# KiCad board oresat-live-card.kicad_pcb (continued)
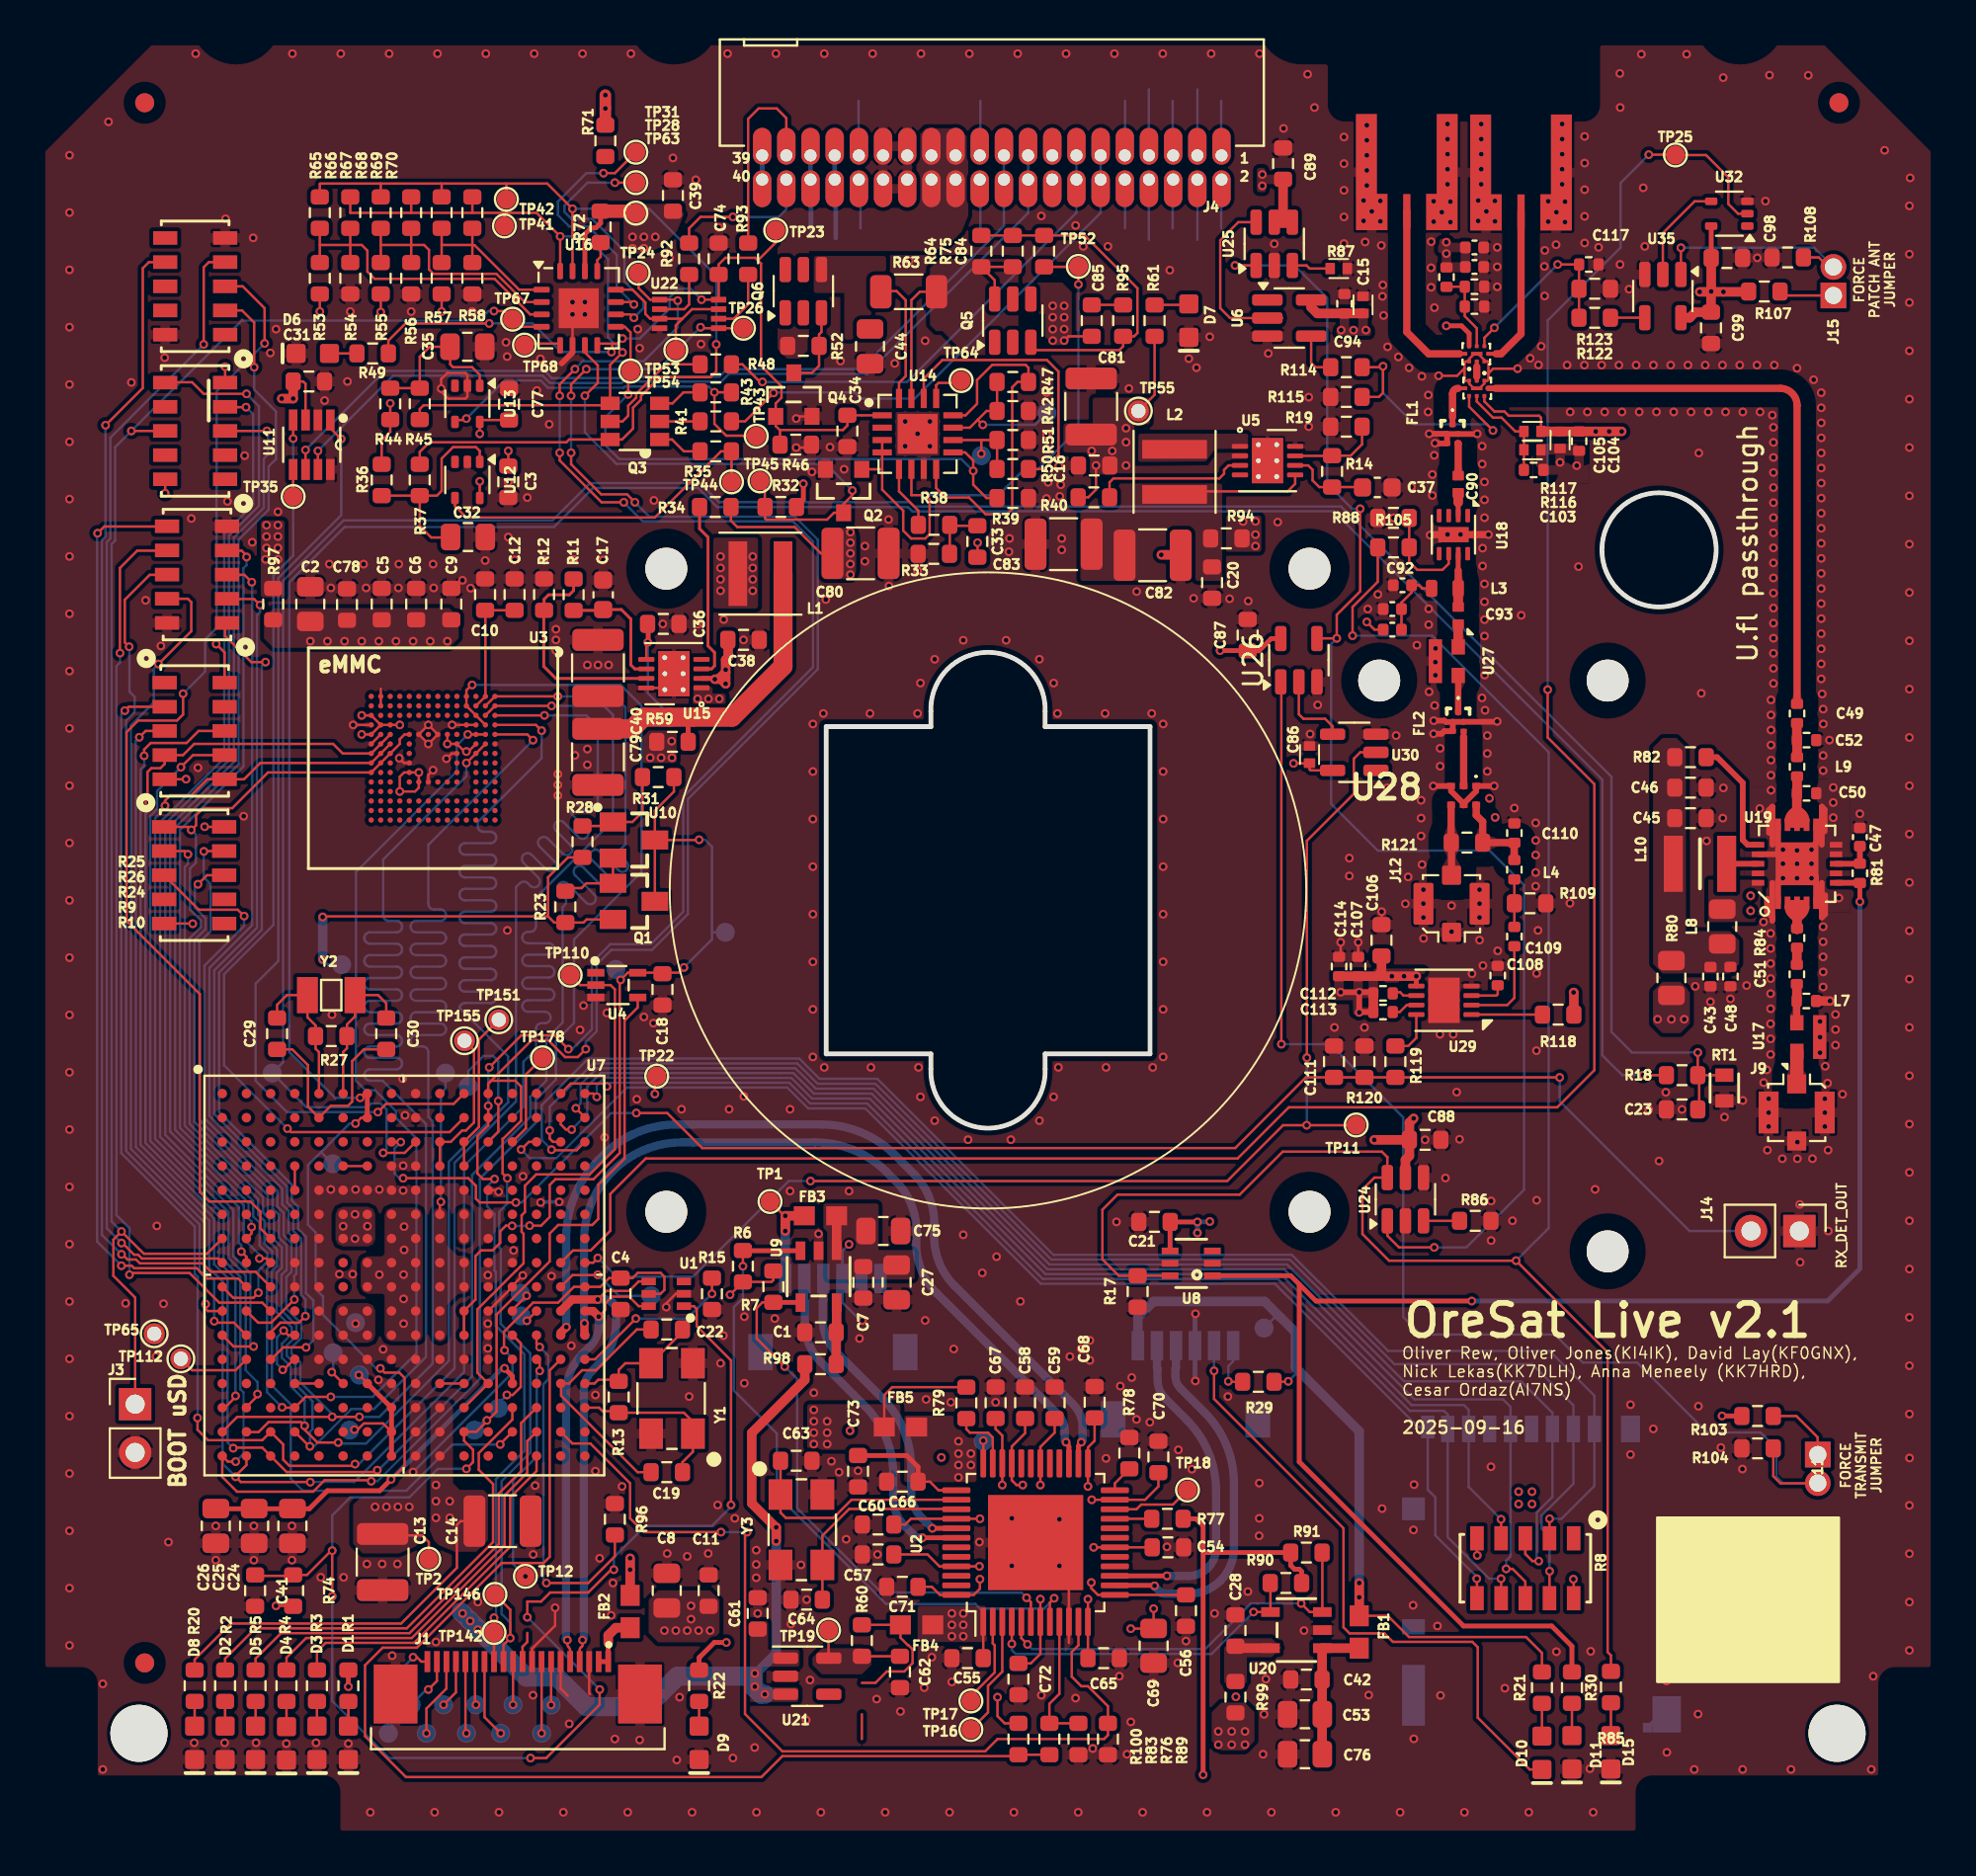
[diagram p0: board, top side]
## Footprints (pads in the part's own frame, mm; a bottom-side part is the same pattern mirrored in y, then rotated) (continued)
TSOT-23-6
  rrect 1.325x0.6 smd: 1(-1.137,0.95) 2(-1.137,0) 3(-1.137,-0.95) 4(1.137,-0.95) 5(1.137,0) 6(1.137,0.95)
U-Octavo-OSD335X-BGA-256
  rrect 0.5x0.5 smd: A1(-9.525,-9.525) A2(-9.525,-8.255) A3(-9.525,-6.985) A4(-9.525,-5.715) A5(-9.525,-4.445) A6(-9.525,-3.175) A7(-9.525,-1.905) A8(-9.525,-0.635) A9(-9.525,0.635) A10(-9.525,1.905) A11(-9.525,3.175) A12(-9.525,4.445) A13(-9.525,5.715) A14(-9.525,6.985) A15(-9.525,8.255) A16(-9.525,9.525) B1(-8.255,-9.525) B2(-8.255,-8.255) B3(-8.255,-6.985) B4(-8.255,-5.715) B5(-8.255,-4.445) B6(-8.255,-3.175) B7(-8.255,-1.905) B8(-8.255,-0.635) B9(-8.255,0.635) B10(-8.255,1.905) B11(-8.255,3.175) B12(-8.255,4.445) B13(-8.255,5.715) B14(-8.255,6.985) B15(-8.255,8.255) B16(-8.255,9.525) C1(-6.985,-9.525) C2(-6.985,-8.255) C3(-6.985,-6.985) C4(-6.985,-5.715) C5(-6.985,-4.445) C6(-6.985,-3.175) C7(-6.985,-1.905) C8(-6.985,-0.635) C9(-6.985,0.635) C10(-6.985,1.905) C11(-6.985,3.175) C12(-6.985,4.445) C13(-6.985,5.715) C14(-6.985,6.985) C15(-6.985,8.255) C16(-6.985,9.525) D1(-5.715,-9.525) D2(-5.715,-8.255) D3(-5.715,-6.985) D4(-5.715,-5.715) D5(-5.715,-4.445) D6(-5.715,-3.175) D7(-5.715,-1.905) D8(-5.715,-0.635) D9(-5.715,0.635) D10(-5.715,1.905) D11(-5.715,3.175) D12(-5.715,4.445) D13(-5.715,5.715) D14(-5.715,6.985) D15(-5.715,8.255) D16(-5.715,9.525) E1(-4.445,-9.525) E2(-4.445,-8.255) E3(-4.445,-6.985) E4(-4.445,-5.715) E5(-4.445,-4.445) E6(-4.445,-3.175) E7(-4.445,-1.905) E8(-4.445,-0.635) E9(-4.445,0.635) E10(-4.445,1.905) E11(-4.445,3.175) E12(-4.445,4.445) E13(-4.445,5.715) E14(-4.445,6.985) E15(-4.445,8.255) E16(-4.445,9.525) F1(-3.175,-9.525) F2(-3.175,-8.255) F3(-3.175,-6.985) F4(-3.175,-5.715) F5(-3.175,-4.445) F6(-3.175,-3.175) F7(-3.175,-1.905) F8(-3.175,-0.635) F9(-3.175,0.635) F10(-3.175,1.905) F11(-3.175,3.175) F12(-3.175,4.445) F13(-3.175,5.715) F14(-3.175,6.985) F15(-3.175,8.255) F16(-3.175,9.525) G1(-1.905,-9.525) G2(-1.905,-8.255) G3(-1.905,-6.985) G4(-1.905,-5.715) G5(-1.905,-4.445) G6(-1.905,-3.175) G7(-1.905,-1.905) G8(-1.905,-0.635) G9(-1.905,0.635) G10(-1.905,1.905) G11(-1.905,3.175) G12(-1.905,4.445) G13(-1.905,5.715) G14(-1.905,6.985) G15(-1.905,8.255) G16(-1.905,9.525) H1(-0.635,-9.525) H2(-0.635,-8.255) H3(-0.635,-6.985) H4(-0.635,-5.715) H5(-0.635,-4.445) H6(-0.635,-3.175) H7(-0.635,-1.905) H8(-0.635,-0.635) H9(-0.635,0.635) H10(-0.635,1.905) H11(-0.635,3.175) H12(-0.635,4.445) H13(-0.635,5.715) H14(-0.635,6.985) H15(-0.635,8.255) H16(-0.635,9.525) J1(0.635,-9.525) J2(0.635,-8.255) J3(0.635,-6.985) J4(0.635,-5.715) J5(0.635,-4.445) J6(0.635,-3.175) J7(0.635,-1.905) J8(0.635,-0.635) J9(0.635,0.635) J10(0.635,1.905) J11(0.635,3.175) J12(0.635,4.445) J13(0.635,5.715) J14(0.635,6.985) J15(0.635,8.255) J16(0.635,9.525) K1(1.905,-9.525) K2(1.905,-8.255) K3(1.905,-6.985) K4(1.905,-5.715) K5(1.905,-4.445) K6(1.905,-3.175) K7(1.905,-1.905) K8(1.905,-0.635) K9(1.905,0.635) K10(1.905,1.905) K11(1.905,3.175) K12(1.905,4.445) K13(1.905,5.715) K14(1.905,6.985) K15(1.905,8.255) K16(1.905,9.525) L1(3.175,-9.525) L2(3.175,-8.255) L3(3.175,-6.985) L4(3.175,-5.715) L5(3.175,-4.445) L6(3.175,-3.175) L7(3.175,-1.905) L8(3.175,-0.635) L9(3.175,0.635) L10(3.175,1.905) L11(3.175,3.175) L12(3.175,4.445) L13(3.175,5.715) L14(3.175,6.985) L15(3.175,8.255) L16(3.175,9.525) M1(4.445,-9.525) M2(4.445,-8.255) M3(4.445,-6.985) M4(4.445,-5.715) M5(4.445,-4.445) M6(4.445,-3.175) M7(4.445,-1.905) M8(4.445,-0.635) M9(4.445,0.635) M10(4.445,1.905) M11(4.445,3.175) M12(4.445,4.445) M13(4.445,5.715) M14(4.445,6.985) M15(4.445,8.255) M16(4.445,9.525) N1(5.715,-9.525) N2(5.715,-8.255) N3(5.715,-6.985) N4(5.715,-5.715) N5(5.715,-4.445) N6(5.715,-3.175) N7(5.715,-1.905) N8(5.715,-0.635) N9(5.715,0.635) N10(5.715,1.905) N11(5.715,3.175) N12(5.715,4.445) N13(5.715,5.715) N14(5.715,6.985) N15(5.715,8.255) N16(5.715,9.525) P1(6.985,-9.525) P2(6.985,-8.255) P3(6.985,-6.985) P4(6.985,-5.715) P5(6.985,-4.445) P6(6.985,-3.175) P7(6.985,-1.905) P8(6.985,-0.635) P9(6.985,0.635) P10(6.985,1.905) P11(6.985,3.175) P12(6.985,4.445) P13(6.985,5.715) P14(6.985,6.985) P15(6.985,8.255) P16(6.985,9.525) R1(8.255,-9.525) R2(8.255,-8.255) R3(8.255,-6.985) R4(8.255,-5.715) R5(8.255,-4.445) R6(8.255,-3.175) R7(8.255,-1.905) R8(8.255,-0.635) R9(8.255,0.635) R10(8.255,1.905) R11(8.255,3.175) R12(8.255,4.445) R13(8.255,5.715) R14(8.255,6.985) R15(8.255,8.255) R16(8.255,9.525) T1(9.525,-9.525) T2(9.525,-8.255) T3(9.525,-6.985) T4(9.525,-5.715) T5(9.525,-4.445) T6(9.525,-3.175) T7(9.525,-1.905) T8(9.525,-0.635) T9(9.525,0.635) T10(9.525,1.905) T11(9.525,3.175) T12(9.525,4.445) T13(9.525,5.715) T14(9.525,6.985) T15(9.525,8.255) T16(9.525,9.525)
U.FL_Molex_MCRF_73412-0110_Vertical
  rrect 1x1 smd: 1(0,-1.5) 2(0,1.5)
  rrect 1.05x2.2 smd: 2(-1.475,0) 2(1.475,0)
U.FL_Molex_MCRF_73412-0110_Vertical#2
  rect 1x1 smd: 1(0,-1.5) 2(0,1.5)
  rect 1.05x2.2 smd: 2(-1.475,0) 2(1.475,0)
unnamed
  round 2.2 hole 2.2 unplated: (0,0)
VSSOP-8_2.3x2mm_P0.5mm
  rect 0.8x0.3 smd: 1(-1.55,0.75) 2(-1.55,0.25) 3(-1.55,-0.25) 4(-1.55,-0.75) 5(1.55,-0.75) 6(1.55,-0.25) 7(1.55,0.25) 8(1.55,0.75)
WF-NP9202
  round 2.2 hole 2.2 unplated: (-6,-15) (6,-15) (6,15)

## Nets
1.1V: FB4.2 R60.2
3.3VA: Q1.2 R23.2 R28.2 TP165.1 U7.F8 U7.F9 U7.G8 U7.G9 U7.H7 U7.H8 U7.H9 U7.J7 U7.J8 U7.J9 U7.K8 U7.K9 U7.L8 U7.L9
5VA: C21.1 C106.2 C107.1 C112.2 C113.2 C114.1 R22.1 R80.2 R94.2 R106.2 R118.1 U8.4 U29.5
+1V8: C24.1 C25.1 C26.1 R18.1 TP8.1 U7.A7 U7.B7 U7.N13
+3.3V: C8.1 C11.1 C31.2 FB5.2 J7.4 R1.1 R6.2 R7.2 R8.5 R8.10 R9.5 R9.10 R10.5 R10.10 R26.5 R26.10 R74.2 R77.1 R79.2 R90.2 R91.2 R97.2 U7.F6 U7.F7 U7.G6 U7.G7 U11.3
+5V: C14.1 C15.1 C61.1 C86.1 C87.1 C88.1 C89.1 C94.1 C98.1 C99.1 C104.1 C105.1 C116.1 C118.1 R20.1 R59.2 R98.2 R99.2 R100.1 R103.1 R107.1 R117.1 R125.2 U6.5 U7.P10 U7.R10 U7.T10 U21.1 U21.3 U24.5 U25.4 U25.5 U26.5 U30.5 U32.5 U34.7 U35.5 U36.7
GND: C1.2 C2.2 C3.2 C4.2 C5.2 C6.2 C7.2 C8.2 C9.2 C10.2 C11.2 C12.2 C13.2 C14.2 C15.2 C16.2 C17.2 C18.2 C20.2 C21.2 C23.2 C24.2 C25.2 C26.2 C27.2 C28.2 C31.1 C32.2 C34.2 C35.2 C36.2 C37.2 C38.2 C39.1 C40.2 C41.2 C42.2 C43.2 C44.2 C45.2 C46.2 C47.2 C48.2 C50.2 C52.2 C53.2 C54.2 C55.2 C56.2 C57.2 C58.2 C59.2 C60.2 C61.2 C62.2 C63.2 C64.2 C65.2 C66.2 C67.2 C68.2 C69.2 C70.2 C71.2 C72.2 C73.2 C74.2 C75.2 C76.2 C77.2 C78.2 C79.2 C80.2 C81.2 C82.2 C83.2 C86.2 C87.2 C88.2 C89.2 C91.2 C92.2 C94.2 C98.2 C99.2 C103.2 C104.2 C105.2 C106.1 C107.2 C108.2 C110.1 C111.2 C114.2 C115.2 C116.2 C117.2 C118.2 D1.1 D2.1 D3.1 D4.1 D5.1 D6.1 D7.1 D8.1 D9.1 D11.1 D15.1 FL1.2 FL1.3 FL1.5 FL2.2 FL2.3 FL2.5 J1.3 J1.6 J1.9 J1.PAD1 J1.PAD2 J2.3 J2.7 J2.8 J3.2 J4.27 J4.28 J4.29 J4.30 J6.SHLD J7.6 J7.CGND1 J7.CGND2 J7.CGND3 J7.CGND4 J7.CGND5 J7.CGND6 J7.GND J8.SHLD J9.2 J10.3 J10.7 J10.8 J12.2 J14.1 L7.1 Q2.2 Q4.2 R12.2 R15.1 R17.1 R19.2 R24.5 R24.10 R25.5 R25.10 R33.1 R39.1 R42.1 R46.1 R51.1 R54.1 R56.1 R58.1 R76.1 R78.2 R86.2 R87.2 R88.2 R89.1 R96.1 R104.2 R108.2 R109.2 R115.2 R116.2 R120.1 R123.1 R124.1 RT1.2 TP65.1 U1.2 U2.10 U2.49 U3.A6 U3.C4 U3.E7 U3.G5 U3.H10 U3.J5 U3.K8 U3.N2 U3.N5 U3.P4 U3.P6 U4.3 U5.8 U5.9 U6.3 U7.A9 U7.B9 U7.D8 U7.D9 U7.E5 U7.E6 U7.E7 U7.E8 U7.E9 U7.E10 U7.E11 U7.E12 U7.F5 U7.F12 U7.G5 U7.G12 U7.H4 U7.H5 U7.H12 U7.H13 U7.J4 U7.J5 U7.J12 U7.J13 U7.K5 U7.K12 U7.L5 U7.L12 U7.M5 U7.M6 U7.M7 U7.M8 U7.M9 U7.M10 U7.M11 U7.M12 U7.N8 U7.N9 U8.2 U8.5 U9.2 U11.2 U11.8 U12.2 U13.2 U14.7 U14.17 U15.8 U15.9 U16.6 U16.17 U17.3 U18.9 U19.1 U19.5 U19.7 U19.9 U19.10 U19.11 U19.15 U19.17 U19.19 U19.21 U20.2 U21.2 U22.4 U24.2 U24.4 U25.2 U26.3 U27.3 U28.1 U28.3 U28.5 U29.4 U29.9 U30.3 U32.3 U34.1 U34.3 U34.9 U35.3 U36.1 U36.3 U36.9 Y1.2 Y1.4 Y3.2 Y3.4
VBUS: J4.23 J4.24 J4.25 J4.26 Q6.4 R52.2
VBUSP: C16.1 C33.2 C38.1 C80.1 C81.1 C85.1 Q5.1 Q5.2 Q5.5 Q5.6 R34.2 R40.2 R61.2 TP55.1 U5.2 U15.2
VIN_USB: C4.1 C13.1 FB2.2 TP2.1 U1.5 U7.J16 U7.P9 U7.R9 U7.T9
/Power + OPD/AD0: R57.1 R58.2 R69.2 R70.1 U16.1
/Power + OPD/AD1: R55.1 R56.2 R67.2 R68.1 U16.2
/Power + OPD/AD2: R53.1 R54.2 R65.2 R66.1 U16.3
/Power + OPD/CB-RESET: R39.2 TP54.1 U14.9 U16.9
/Power + OPD/CB_CTRL: Q2.1 R75.1 TP52.1 U14.3 U14.4 U14.6
/Power + OPD/ON/~{OFF}: C34.1 C74.1 Q4.1 R46.2 R49.2 TP23.1 U14.1 U16.8 U22.8
/Power + OPD/PEN-SCL-FILT: Q3.6 R37.2 R65.1 R67.1 R69.1 TP42.1 U16.15
/Power + OPD/PEN-SDA-FILT: Q3.4 R45.2 R66.2 R68.2 R70.2 TP41.1 U16.16
/Power + OPD/POUT: TP64.1 U14.13
/Power + OPD/UART_EN: TP53.1 U16.12 U22.3 U22.7
/Power + OPD/~{FAULT}: Q2.3 R32.1 TP45.1 U16.7
/SIP A: Power/PMIC_PGOOD: TP110.1 U4.2 U7.N12 U7.P11
/SIP B: USB + Crystals/Camera_USB_N: J10.5 U2.42
/SIP B: USB + Crystals/Camera_USB_P: J10.4 U2.41
/SIP B: USB + Crystals/Camera_Vusb: FB3.2 J10.6 TP1.1
/SIP B: USB + Crystals/OSC0_GND: C19.1 C22.1 U7.N15
/SIP B: USB + Crystals/OSC0_IN: C19.2 R13.2 U7.P16 Y1.1
/SIP B: USB + Crystals/OSC0_OUT: C22.2 R13.1 U7.N16 Y1.3
/SIP B: USB + Crystals/UP_N: U2.27 U7.L16
/SIP B: USB + Crystals/UP_P: U2.26 U7.L15
/SIP B: USB + Crystals/WIFI_ENABLE: J2.1 R29.2
/SIP B: USB + Crystals/WIFI_STATUS: D10.1 J2.2
/SIP B: USB + Crystals/Wifi_USB_N: J2.5 U2.15
/SIP B: USB + Crystals/Wifi_USB_P: J2.4 U2.14
/SIP B: USB + Crystals/Wifi_Vusb: FB1.2 J2.6 R21.1 R29.1 TP15.1
/WiFi PA/PA_TOGGLE: R30.1 R81.1 U8.1 U19.6
ANT_SEL: TP25.1 U7.H15 U32.2
C3-UART-Rx: J4.38 R92.1
C3-UART-Tx: J4.37 R93.1
CAN2_H: J4.17 J4.18 U11.7
CAN2_L: J4.19 J4.20 U11.6
EEPROM_WP: TP112.1 U7.M2
GRSTz: R89.2 U2.11 U7.R15
HELICAL_ANTENNA: J6.SIG U36.8
I2C0_SCL: TP155.1 U7.C10 U7.D10
I2C0_SDA: TP151.1 U7.C11 U7.D11
nRESET: C41.1 J1.10 R74.1 TP109.1 U1.1 U4.4 U7.R11
OPD_PWR: J4.15 J4.16 R71.1
OPD_SCL: J4.13 J4.14 R48.1
OPD_SDA: J4.11 J4.12 R41.1
PA_MATCH_OUT: C49.2 U34.8
PA_ON_LNA_OFF: R17.2 R85.1 R105.1 U8.6 U24.6
PA_THERMISTOR: C23.1 R18.2 RT1.1 TP10.1 U7.C9
PATCH_ANTENNA: J8.SIG U36.4
RX_DET_OUT: C111.1 J14.2 R119.2 R120.2 U7.C8
RX_IN: FL1.1 U34.4
SYSBOOT2: J3.1 R26.8 TP67.1 U7.G1 U16.4
TRANSMIT: TP11.1 U7.H16 U30.2
UART0_Rx: J1.12 TP26.1 TP146.1 U7.A12 U22.5
UART0_Tx: J1.13 TP24.1 TP142.1 U7.B12 U22.1
USB_DEV_N: J1.5 U1.6 U7.K16
USB_DEV_P: J1.4 U1.4 U7.K15
USB_DEV_VBUS: FB2.1 J1.1 J1.2
VPD: C3.1 C39.2 C77.1 R32.2 R36.2 R44.2 R53.2 R55.2 R57.2 R71.2 R72.2 TP63.1 U12.5 U13.5 U16.14
Net-(C2-Pad1): C2.1 C5.1 C6.1 C9.1 C78.1 R97.1 U3.C6 U3.E6 U3.F5 U3.J10 U3.K9 U3.M4 U3.N4 U3.P3 U3.P5
Net-(C33-Pad1): C33.1 R33.2 R38.2
Net-(C43-Pad1): C43.1 C45.1 C46.1 C48.1 L8.2 L10.2 R80.1 R82.2
Net-(C49-Pad1): C49.1 C52.1 L9.2
Net-(C51-Pad1): C51.1 L7.2 U17.2
Net-(C51-Pad2): C51.2 R84.1
Net-(C54-Pad1): C54.1 C55.1 C57.1 C59.1 C65.1 C67.1 C69.1 FB4.1 U2.1 U2.12 U2.18 U2.30 U2.34 U2.45
Net-(C56-Pad1): C56.1 C58.1 C60.1 C66.1 C68.1 C70.1 C71.1 C72.1 C73.1 FB5.1 U2.7 U2.13 U2.23 U2.25 U2.33 U2.37 U2.40 U2.48
Net-(C85-Pad2): C85.2 R95.1
Net-(C91-Pad1): C91.1 C92.1 L3.1 R106.1
Net-(C93-Pad2): C93.2 U27.1
Net-(C109-Pad1): C109.1 L4.2 R109.1
Net-(D1-A): D1.2 R1.2
Net-(D2-A): D2.2 R2.2
Net-(D3-A): D3.2 R3.2
Net-(D4-A): D4.2 R4.2
Net-(D5-A): D5.2 R5.2
Net-(D6-A): D6.2 R49.1
Net-(D7-A): D7.2 R61.1
Net-(D8-A): D8.2 R20.2
Net-(D9-A): D9.2 R22.2
Net-(D10-A): D10.2 R21.2
Net-(D11-A): D11.2 R30.2
Net-(D15-A): D15.2 R85.2
Net-(FL1-OUTPUT): C90.1 FL1.4
Net-(FL2-INPUT): FL2.1 U27.2
Net-(FL2-OUTPUT): FL2.4 U28.2
Net-(J1-DEBUG-0): J1.17 TP37.1
Net-(J1-DEBUG-1): J1.18 TP20.1
Net-(J1-DEBUG-2): J1.19 TP21.1
Net-(J1-DEBUG-3): J1.20 TP30.1
Net-(J1-HOST-D+): J1.7 TP34.1
Net-(J1-HOST-D-): J1.8 TP36.1
Net-(J1-SWCLK): J1.15 TP32.1
Net-(J1-SWDIO): J1.14 TP29.1
Net-(J1-SWO): J1.16 TP33.1
Net-(J1-VTARGET): J1.11 TP27.1
Net-(J7-CD#): J7.CD R8.6 TP22.1 U7.C14
Net-(J7-CLK): J7.5 R8.8 U7.B15
Net-(J7-CMD/DI): J7.3 R8.3 U7.B16
Net-(J7-DAT0/DO): J7.7 R8.4 U7.A16
Net-(J7-DAT1): J7.8 R8.7 U7.A15
Net-(J7-DAT2): J7.1 R8.2 U7.C16
Net-(J7-DAT3/CS): J7.2 R8.9 U7.C15
Net-(J9-In): J9.1 U17.1
Net-(J11-A): J11.1 R103.2
Net-(J11-B): J11.2 R104.1 U26.1
Net-(J12-In): J12.1 R121.1 U28.4
Net-(J15-A): J15.1 R107.2
Net-(J15-B): J15.2 R108.1 U35.1
Net-(Q1-B): Q1.1 R23.1 U10.2
Net-(Q1-C): C18.1 Q1.3 R31.1 TP14.1 TP164.1 U4.5 U7.K11 U7.L11 U10.3
Net-(Q3A-G): Q3.1 R35.2
Net-(Q3A-S): Q3.5 R48.2
Net-(Q3B-G): Q3.3 R43.2
Net-(Q3B-S): Q3.2 R41.2
Net-(Q4-D): Q4.3 Q6.3 R52.1
Net-(Q5-G): C84.1 Q5.3 R64.1 R75.2 R95.2
Net-(Q5-S): C84.2 Q5.4 R63.2 R64.2 U14.15
Net-(R9-22): R9.2 U3.A3 U7.R3
Net-(R9-33): R9.3 U3.B3 U7.T2
Net-(R9-44): R9.4 U3.M5 U7.P1
Net-(R9-66): R9.6 U3.M6 U7.P2
Net-(R9-77): R9.7 U3.B4 U7.T1
Net-(R9-88): R9.8 U3.B2 U7.T3
Net-(R10-11): R10.1 U3.K5 U7.R13
Net-(R10-22): R10.2 U3.B5 U7.P4
Net-(R10-33): R10.3 U3.A5 U7.R1
Net-(R10-88): R10.8 U3.A4 U7.R2
Net-(R10-99): R10.9 U3.B6 U7.R4
Net-(R24-11): R24.1 U7.M3
Net-(R24-22): R24.2 U7.L3
Net-(R24-33): R24.3 U7.K2
Net-(R24-44): R24.4 U7.J1
Net-(R24-66): R24.6 U7.J2
Net-(R24-77): R24.7 U7.K3
Net-(R24-88): R24.8 U7.K1
Net-(R24-99): R24.9 U7.L2
Net-(R25-22): R25.2 U7.G2
Net-(R25-33): R25.3 U7.G3
Net-(R25-44): R25.4 U7.H1
Net-(R25-77): R25.7 U7.J3
Net-(R26-33): R26.3 U7.H3
Net-(R26-44): R26.4 U7.L1
Net-(R26-66): R26.6 U7.H2
Net-(R114-Pad2): R114.2 U6.4
Net-(U2-FULLPWRMGMTz/SMBA1): TP13.1 U2.36
Net-(U2-GANGED/SMBA2/HS_UP): R79.1 U2.35
Net-(U2-OVERCUR1z): R91.1 U2.5 U20.3
Net-(U2-OVERCUR2z): R6.1 U2.8 U9.3
Net-(U2-PWRCTL1/BATEN1): R90.1 U2.4 U20.4
Net-(U2-PWRCTL2/BATEN2): R7.1 U2.6 U9.4
Net-(U2-PWRCTL_POL): R77.2 U2.21
Net-(U2-SCL/SMBCLK): TP17.1 U2.2
Net-(U2-SDA/SMBDAT): TP16.1 U2.3
Net-(U2-SMBUSz): TP18.1 U2.22
Net-(U2-USB_R1): R78.1 U2.24
Net-(U2-USB_VBUS): R76.2 R83.2 U2.9
Net-(U2-XI): C63.1 U2.38 Y3.1
Net-(U2-XO): C64.1 U2.39 Y3.3
Net-(U3-VDDI): C10.1 C12.1 U3.C2
Net-(U5-FB): C20.1 C82.1 C83.1 L2.2 R94.1 U5.5
Net-(U5-INTVcc): C37.1 R14.1 U5.6
Net-(U5-MODE): R14.2 R19.1 U5.7
Net-(U5-RUN): R40.1 U5.3
Net-(U5-SW): L2.1 U5.1
Net-(U7A-EXT_WAKEUP): U7.L4 U7.M4
Net-(U7A-EXTINTN): U7.D4 U7.E4
Net-(U7A-PMIC_BAT_SENSE): TP4.1 TP130.1 U7.N7 U7.P8 U7.R8 U7.T8
Net-(U7A-PMIC_LDO_PGOOD): U7.N4 U7.N5
Net-(U7A-PMIC_POWER_EN): U7.N10 U7.N11
Net-(U7A-PMIC_TS): TP129.1 U7.N6
Net-(U7A-RTC_KALDO_ENN): R15.2 U7.M16
Net-(U7A-SYS_VDD2_3P3V@1): U7.F11 U7.G11
Net-(U7A-SYS_VDD_1P8V@1): TP9.1 U7.F10 U7.G10 U7.H10 U7.H11 U7.J10 U7.J11 U7.K10 U7.L10
Net-(U7A-SYS_VOUT@1): TP3.1 U7.K6 U7.K7 U7.L6 U7.L7
Net-(U7B-AIN7): U7.D6 U7.D7
Net-(U7B-OSC1_GND): C29.2 C30.2 U7.B5
Net-(U7B-OSC1_IN): C30.1 R27.2 U7.A6 Y2.2
Net-(U7B-OSC1_OUT): C29.1 R27.1 U7.A5 Y2.1
Net-(U7B-USB0_CE): TP6.1 U7.K13
Net-(U7B-USB0_DRVVBUS): TP7.1 U7.J15
Net-(U7B-USB0_ID): TP5.1 U7.K14
Net-(U7B-USB1_CE): TP144.1 U7.L13
Net-(U7B-USB1_DRVVBUS): TP12.1 U7.M14
Net-(U7B-USB1_ID): R96.2 U7.L14
Net-(U7B-USB1_VBUS): R83.1 R100.2 U7.M15
Net-(U7C-GPMC_A5): R2.1 U7.P13
Net-(U7C-GPMC_A6): R3.1 U7.T14
Net-(U7C-GPMC_A7): R4.1 U7.R14
Net-(U7C-GPMC_A8): R5.1 U7.P14
Net-(U7C-UART0_CTSN): TP177.1 U7.C12
Net-(U7C-UART0_RTSN): TP178.1 U7.C13
Net-(U9-IN): C1.1 R98.1 U9.5
Net-(U9-OUT): C7.1 C27.1 C75.1 FB3.1 U9.1
Net-(U10-REF): R28.1 R31.2 U10.1
Net-(U11-RXD): U7.B11 U11.4
Net-(U11-SHDN): TP35.1 U11.5
Net-(U11-TXD): U7.A11 U11.1
Net-(U12-INP): C32.1 R36.1 R37.1 U12.1
Net-(U12-OUT): R35.1 TP44.1 U12.4
Net-(U13-INP): C35.1 R44.1 R45.1 U13.1
Net-(U13-OUT): R43.1 TP43.1 U13.4
Net-(U14-CIN1+): R50.1 R51.2 TP57.1 U14.10
Net-(U14-CIN1-): R42.2 R47.1 TP47.1 U14.11
Net-(U14-CIN2+): R47.2 U14.8 U14.12
Net-(U14-INHIBIT): R38.1 U14.5
Net-(U14-IOUT): R50.2 U14.14
Net-(U14-RS+): C44.1 Q6.1 Q6.2 Q6.5 Q6.6 R63.1 U14.16
Net-(U15-FB): C36.1 C40.1 C79.1 L1.2 R59.1 U15.5
Net-(U15-INTVcc): C17.1 R11.1 U15.6
Net-(U15-MODE): R11.2 R12.1 U15.7
Net-(U15-RUN): R34.1 U15.3
Net-(U15-SW): L1.1 U15.1
Net-(U16-IO1): TP68.1 U16.5
Net-(U16-IO5): TP28.1 U16.10
Net-(U16-IO6): TP31.1 U16.11
Net-(U16-~{RESET}): R72.1 U16.13
Net-(U18-RF_IN): C90.2 U18.2
Net-(U18-RF_OUT): C93.1 L3.2 U18.7
Net-(U18-SHUT_DOWN): R88.1 R105.2 U18.6
Net-(U19-IREF2): C47.1 R81.2 U19.8
Net-(U19-RFIN@2): R84.2 U19.2 U19.3 U19.4
Net-(U19-RFOUT@12): C50.1 L9.1 U19.12 U19.13 U19.14
Net-(U19-VBIAS): R82.1 U19.16
Net-(U19-VCC1): L8.1 U19.20
Net-(U19-VCC2): L10.1 U19.18
Net-(U20-IN): C28.1 R99.1 U20.5
Net-(U20-OUT): C42.1 C53.1 C76.1 FB1.1 U20.1
Net-(U21-OUT): C62.1 R60.1 TP19.1 U21.5
Net-(U22-COM1): R92.2 U22.2
Net-(U22-COM2): R93.2 U22.6
Net-(U24-IN): U24.1 U25.1 U26.4
Net-(U24-SET): R86.1 U24.3
Net-(U25-OUT): U6.2 U25.6
Net-(U25-SET): R87.1 U25.3
Net-(U28-OUTPUT2): C110.2 L4.1 R121.2 U28.6
Net-(U29-CAP+): C113.1 U29.7
Net-(U29-CAP-): C112.1 U29.6
Net-(U29-EN): R118.2 U29.1
Net-(U29-IN+): C109.2 U29.2
Net-(U29-IN-): C108.1 U29.3
Net-(U29-OUT): R119.1 U29.8
Net-(U30-Y): U26.2 U30.4
Net-(U32-Y): U32.4 U35.2
Net-(U34-CTRL): R114.1 R115.1 U34.5
Net-(U34-EN): C103.1 R116.1 R117.2 U34.6
Net-(U34-RF_COM): U34.2 U36.2
Net-(U35-Y): R122.1 U35.4
Net-(U36-CTRL): C117.1 R122.2 R123.2 U36.5
Net-(U36-EN): C115.1 R124.2 R125.1 U36.6

Pads without a net: J4 1 2 3 4 5 6 7 8 9 10 21 22 31 32 33 34 35 36 39 40; J10 1 2; R8 1; R9 1 9; R10 4 6 7; R25 1 6 8 9; R26 1 2 7 9; U1 3; U2 16 17 19 20 28 29 31 32 43 44 46 47; U3 A1 A2 A7 A8 A9 A10 A11 A12 A13 A14 B1 B7 B8 B9 B10 B11 B12 B13 B14 C1 C3 C5 C7 C8 C9 C10 C11 C12 C13 C14 D1 D2 D3 D4 D12 D13 D14 E1 E2 E3 E5 E8 E9 E10 E12 E13 E14 F1 F2 F3 F10 F12 F13 F14 G1 G2 G3 G10 G12 G13 G14 H1 H2 H3 H5 H12 H13 H14 J1 J2 J3 J12 J13 J14 K1 K2 K3 K6 K7 K10 K12 K13 K14 L1 L2 L3 L12 L13 L14 M1 M2 M3 M7 M8 M9 M10 M11 M12 M13 M14 N1 N3 N6 N7 N8 N9 N10 N11 N12 N13 N14 P1 P2 P7 P8 P9 P10 P11 P12 P13 P14; U4 1; U5 4; U6 1; U7 A1 A2 A3 A4 A8 A10 A13 A14 B1 B2 B3 B4 B6 B8 B10 B13 B14 C1 C2 C3 C4 C5 C6 C7 D1 D2 D3 D5 D12 D13 D14 D15 D16 E1 E2 E3 E13 E14 E15 E16 F1 F2 F3 F4 F13 F14 F15 F16 G4 G13 G14 G15 G16 H6 H14 J6 J14 K4 M1 M13 N1 N2 N3 N14 P3 P5 P6 P7 P12 P15 R5 R6 R7 R12 R16 T4 T5 T6 T7 T11 T12 T13 T15 T16; U8 3; U12 3; U13 3; U14 2; U15 4; U18 1 3 4 5 8; U21 4; U30 1; U32 1

## Via types
v1: diameter 0.457, hole 0.254, Top to Bottom, 1272 vias

## Routing (per net, layer and track width the routed paths; a pad name or vN(x,y) marks a point on that pad's centre or on a via; arc(x,y) is an arc through that point)
1.1V: length 7.4
  Top w0.127: 43.32,11.2 FB4.2 45.3,10.52 45.68,10.14 45.71,10.14 45.94,9.91 45.94,9.19 45.5,8.75 44.59,8.75 43.99,8.15 43.28,8.15
3.3VA: length 41.9
  Top w0.127: 26.79,48.44 14.99,48.44 v1(14.95,48.4) ; 26.79,48.44 26.79,50.49 27.84,51.54 R28.2 ; 26.79,48.44 27.11,48.11 R23.2 28.65,48.11 28.81,48.27 Q1.2
  In2.Cu w0.5: v1(14.95,46.17) 16.72,46.17 18.13,44.77 18.13,39.29 18.67,38.74 19.57,38.74 19.92,38.39 19.92,36.5 19.37,35.95 18.93,35.95 18.53,35.56 18.53,32.83 v1(19.23,32.13)
  Bottom w0.127: TP165.1 15.22,45.9 v1(14.95,46.17)
  Bottom w0.5: v1(14.95,46.17) v1(14.95,48.4)
  vias: v1(17.93,29.61) v1(19.23,30.91) v1(19.2,29.61) v1(19.2,28.33) v1(19.2,27.03)
5VA: length 107.5
  Top w0.127: 59.47,32.37 59.46,32.36 ; v1(69.8,63.91) 70.2,63.51 R106.2
  Top w0.25: v1(36.16,10.27) 35.53,10.27 34.72,9.47 R22.1 ; U8.4 59.46,32.36 ; 59.47,32.37 v1(60.9,32.37) ; U29.5 72.4,45.35
  Top w0.3: v1(69.4,44.45) v1(69.4,43.39) 69.42,43.41 C113.2 ; v1(69.4,44.45) 70.2,44.45 ; v1(69.4,44.45) v1(68.42,44.45)
  Top w0.5: v1(72.4,45.29) v1(71.11,45.29) 70.34,45.29 ; 70.34,45.29 C114.1 ; 70.34,45.29 70.57,45.52 C106.2 ; C113.2 70.14,44.46 ; R118.1 80.67,44.42 v1(80.66,44.44)
  In2.Cu w0.25: v1(69.8,63.91) 65.92,63.91 63.95,65.88 v1(63.95,67.9) ; 70.97,32.12 71.23,31.87 71.23,10.41 64.68,3.85 40.84,3.85 36.16,8.53 v1(36.16,10.27) ; v1(71.11,45.29) 71.17,45.35 72.4,45.35
  In2.Cu w0.5: v1(86.47,43.03) v1(85.07,43.03) 82.07,43.03 v1(80.66,44.44) 73.31,44.44 72.4,45.35
  Bottom w0.25: v1(60.9,31.8) v1(60.9,32.37) 61.53,32.37
  vias: v1(61.55,32.4) v1(63.3,69.19) v1(63.95,69.2) v1(63.95,68.5) v1(71.76,45.29) v1(85.8,43.03)
+1V8: length 170.5
  Top w0.127: v1(84.31,40.09) R18.1 ; v1(18.54,18.85) 19.25,19.56 19.25,24.18 18.98,24.46 18.2,24.46 v1(17.98,24.68) ; v1(16.92,38.9) 17.14,39.12 17.29,39.12 ; U7.B7 16.98,37.85 v1(16.67,37.55)
  Top w0.25: U7.N13 24.91,24.27 v1(24.5,24.68) ; v1(18.54,18.85) 17.94,18.25 15.2,18.25 14.25,17.3 9.35,17.3 C26.1 ; U7.B7 17.29,39.12
  Bottom w0.127: v1(16.92,38.9) 15.6,38.9 13.2,41.3 13.2,66 16.1,68.9 27.1,68.9 29.16,70.96 34.66,70.96 35.67,69.95 45.69,69.95 45.91,69.73 68.06,69.73 82.17,55.62 82.17,41.14 83.22,40.09 v1(84.31,40.09) ; v1(16.67,37.55) 16.37,37.55 14.86,36.04 ; v1(17.98,24.68) 17.75,24.68 16.68,25.76 16.68,25.78 14.97,27.49 14.97,28.46 14.58,28.85 14.58,31.83 14.18,32.23 14.18,35.36 14.86,36.04 TP8.1
  Bottom w0.25: v1(24.5,24.68) 24.38,24.68 v1(18.54,18.85)
+3.3V: length 106.4
  Top w0.127: v1(8.75,53.15) 8.76,53.14 R10.10 ; R7.2 38.62,29.32 38.53,29.22 R6.2 v1(36.35,28.55) ; v1(7.77,55.65) 7.77,55.64 R9.5 ; R10.5 8.12,48.06 v1(8.13,48.05) ; v1(6.67,70.67) 6.68,70.68 6.68,71.43 ; R8.5 75.59,14.86 v1(75.6,14.85) ; R79.2 44.87,23.69 44.45,23.27 FB5.2 ; 9.83,76.51 9.83,77.32 v1(9.82,77.32) ; R9.10 9.8,62.31 v1(9.36,62.75) ; R74.2 13.38,12.2 v1(12.5,12.2) ; U11.3 14.05,76.42 13.92,76.55 C31.2 ; v1(80.65,13.6) 80.66,13.58 R8.10
  Top w0.25: R1.1 v1(16.3,7.95) ; v1(61.2,3.32) 61.2,16.4 60.82,16.77 R77.1 ; 61.2,15 R91.2 65.8,14.32 66,14.12 66.25,14.12 66.38,14 66.38,13.4
  Top w0.5: C31.2 v1(13.4,75.65) v1(12.8,75.65)
  In2.Cu w0.127: v1(77.78,17.55) 77.97,17.35 77.97,16.32 ; 77.97,13.52 78.05,13.6 v1(80.65,13.6) ; v1(75.6,14.85) 77.8,14.85 77.97,15.02
  In2.Cu w1: 77.97,16.32 77.97,13.52 67.55,3.1 40.53,3.1 37.55,6.07 37.53,6.07 35.3,8.3 v1(35.3,10.9)
  vias: v1(11.95,67.2) v1(12,69) v1(12,68.4) v1(12,67.8) v1(12.6,69) v1(12.6,68.4) v1(12.6,67.8) v1(12.6,67.2) v1(16.02,32.15) v1(16.65,32.77) v1(16.65,31.5) v1(17.3,32.15) v1(32.9,10.9) v1(33.5,10.9) v1(34.1,10.9) v1(34.3,12.2) v1(34.3,11.5) v1(34.7,10.9) v1(40.75,22.5) v1(40.75,21.9) v1(40.75,21.3) v1(40.75,20.7) v1(41.45,21.9) v1(41.45,21.3) v1(41.45,20.7) v1(77.78,18.2) v1(78.47,18.2) v1(78.47,17.55)
+5V: length 276.2
  Top w0.127: v1(50.4,7.4) 50.4,6.4 50.78,6.02 R100.1 ; 79.92,73.92 79.95,73.95 ; v1(65.95,56.48) 66.78,56.48 C86.1 66.79,56.17 66.85,56.11 U30.5 ; R117.1 78.95,74.65 78.85,74.75 77.25,74.75 77.03,74.97 76.5,74.97 75.97,75.5 U34.7 ; C14.1 22.2,16.65 22,16.45 22,14.2 19.07,11.27 10.12,11.27 8.22,9.38 R20.1 ; 65.35,87.12 C89.1 ; 71.84,36.33 71.84,36.33 ; 87.91,79.93 87.89,79.91
  Top w0.25: U26.5 64.78,63.04 64.13,62.39 C87.1 63.53,62.4 v1(62.09,62.4) ; v1(88.46,22.18) 89.5,22.18 R103.1 ; 75.17,78.4 75.17,79.07 74.78,79.47 v1(73.97,79.47) ; C98.1 U32.5
  Top w0.5: v1(70.19,36.69) 72.03,36.69 C88.1 ; v1(87.28,81.26) v1(88.53,81.26) 89.84,81.26 R107.1 ; R117.1 v1(81.82,73.92) v1(82.53,73.92) v1(83.19,73.92) ; R98.2 40.28,24.07 37.49,21.29 37.49,17.58 38.75,16.32 v1(38.78,16.32) v1(38.78,15.6) ; C88.1 72.03,35.85 71.83,35.64 U24.5 ; C88.1 72.03,37.59 v1(72.26,37.82) ; 87.91,83.02 C98.1 ; C98.1 v1(87.89,81.28) 87.89,81.24 87.88,81.23 C99.1 87.88,80.19 87.05,80.19 86.76,79.9 U35.5 86.31,79.91 ; C98.1 87.84,83.09 ; 65.4,84.92 C89.1 ; 69.6,80.15 69.57,80.12 C94.1 67.2,80.12 66.88,80.45 U6.5 ; 65.16,84.87 65.64,84.87
  In2.Cu w0.2: v1(73.97,83.27) 71.22,83.27 70.73,82.78
  In2.Cu w0.25: v1(88.46,22.18) 88.46,23.22 85.02,26.66 79.23,26.66 72.26,33.63 v1(72.26,37.82) ; v1(62.09,62.4) 65.1,62.4 65.94,61.57 65.94,56.49 v1(65.95,56.48)
  In2.Cu w0.5: 67.2,79.25 v1(69.75,79.25) 73.75,79.25 v1(73.97,79.47) 74.92,80.42 79.23,80.42 ; 67.2,79.25 67.2,84.78 65.13,86.85 64.39,86.85 64.37,86.83 v1(64.31,86.83) 64.32,86.84 64.32,87.41 v1(64.31,87.43) ; 67.2,79.25 67.19,79.24 ; 79.23,80.42 84.89,80.42 85.73,81.26 v1(87.28,81.26) v1(88.53,81.26) ; 79.23,80.42 79.7,79.95 79.7,74.69 80.47,73.92 v1(81.82,73.92) v1(83.19,73.92) ; 59.99,63.98 61.56,62.4 v1(62.09,62.4) ; 59.99,63.98 44.9,63.98 38.32,57.4 33.53,57.4 v1(33.28,57.65) ; 59.99,63.98 59.99,72.04 67.19,79.24 ; v1(73.97,83.27) v1(73.97,83.87) ; 67.19,79.24 70.73,82.78 ; v1(62.7,5.6) 62.92,5.82 v1(62.92,7.42) 62.92,8.56 63.33,8.97 ; 63.34,8.98 65.32,10.96 65.32,20.79 70.19,25.66 v1(70.19,36.69)
  In2.Cu w1: 21.2,17.7 21.2,12.9 23.02,11.07
  Bottom w0.5: v1(38.78,16.32) 38.78,9.7 37.57,8.5
  Bottom w1: v1(38.17,7.55) 37.97,7.55 37.57,7.95 37.57,8.5 33.59,8.5 31.99,6.9 28.8,6.9 27.24,8.46 25.64,8.46 22.22,11.88
  vias: v1(20.9,18.55) v1(20.9,17.7) v1(20.9,16.82) v1(21.62,17.7) v1(21.62,16.82) v1(22.3,11.8) v1(22.7,11.4) v1(23.1,10.95) v1(32.16,56.77) v1(32.73,56.77) v1(33.3,56.77) v1(37.65,8.65) v1(37.65,7.95) v1(62,5.6) v1(62,4.9) v1(62.7,4.9) v1(63.4,5.6) v1(63.4,4.9) v1(68.45,79.25) v1(69.1,79.25)
GND: length 98.6
  Top w0.127: 76.19,76.98 76.43,77.22 76.43,77.22 v1(77.72,77.22) ; 76.19,76.98 76.19,77.56 76.14,77.6 U36.3 75.97,77.67 75.64,78 U36.9 75.44,78 75.17,77.73 U36.1 75,77.6 74.93,77.53 74.93,77.24 ; 76.19,76.98 76.19,76.65 76.13,76.59 U34.1 75.97,76.44 75.72,76.19 U34.9 75.42,76.19 75.17,76.43 U34.3 74.97,76.59 74.93,76.63 74.93,77.24 ; U3.K8 19.22,56.5 v1(18.97,56.75) ; v1(69.35,47.07) 69.35,46.32 C107.2 ; 40.62,73.07 v1(39.82,73.07) ; v1(24.19,33.96) 24.1,34.04 U7.E12 ; C114.2 68.42,46.39 v1(68.42,47.07) ; v1(53.65,14.3) 54.15,13.8 U2.10 54.15,10.25 ; U3.P6 U3.N5 ; U7.K12 U7.J13 24.91,29.02 v1(25.46,29.57) ; U3.N2 18,60.4 ; U3.H10 20.5,55.87 v1(20.75,56.12) ; v1(28.07,80.07) 28.07,78.07 ; U3.E7 21.72,57 v1(21.45,56.72) ; v1(70.58,48.68) 70.58,47.71 ; v1(16.55,58.5) U3.P4 ; U15.8 32.83,60.44 U15.9 ; 74.93,77.24 74.54,76.85 v1(73.57,76.85) ; 33.92,28.6 33.5,28.6 33,28.1 v1(33,27.9) ; 27.82,7.47 27.45,7.85 J1.6 ; v1(27.16,12.1) 27.16,11.16 25.95,9.95 J1.9 ; J1.3 28.95,7.6 29,7.55 ; Q4.2 39.83,74.72 ; v1(21.75,58.5) U3.C4 ; 21.17,76.02 v1(21.17,76.17) 21.17,76.67 21.5,77 22.45,77 22.55,76.9 22.55,75.75 22.45,75.65 21.54,75.65 21.17,76.02 ; v1(20.5,58.5) U3.J5 v1(20.5,57.5) U3.G5 v1(20.5,58.5)